# KiCad board kim-1.kicad_pcb (continued)
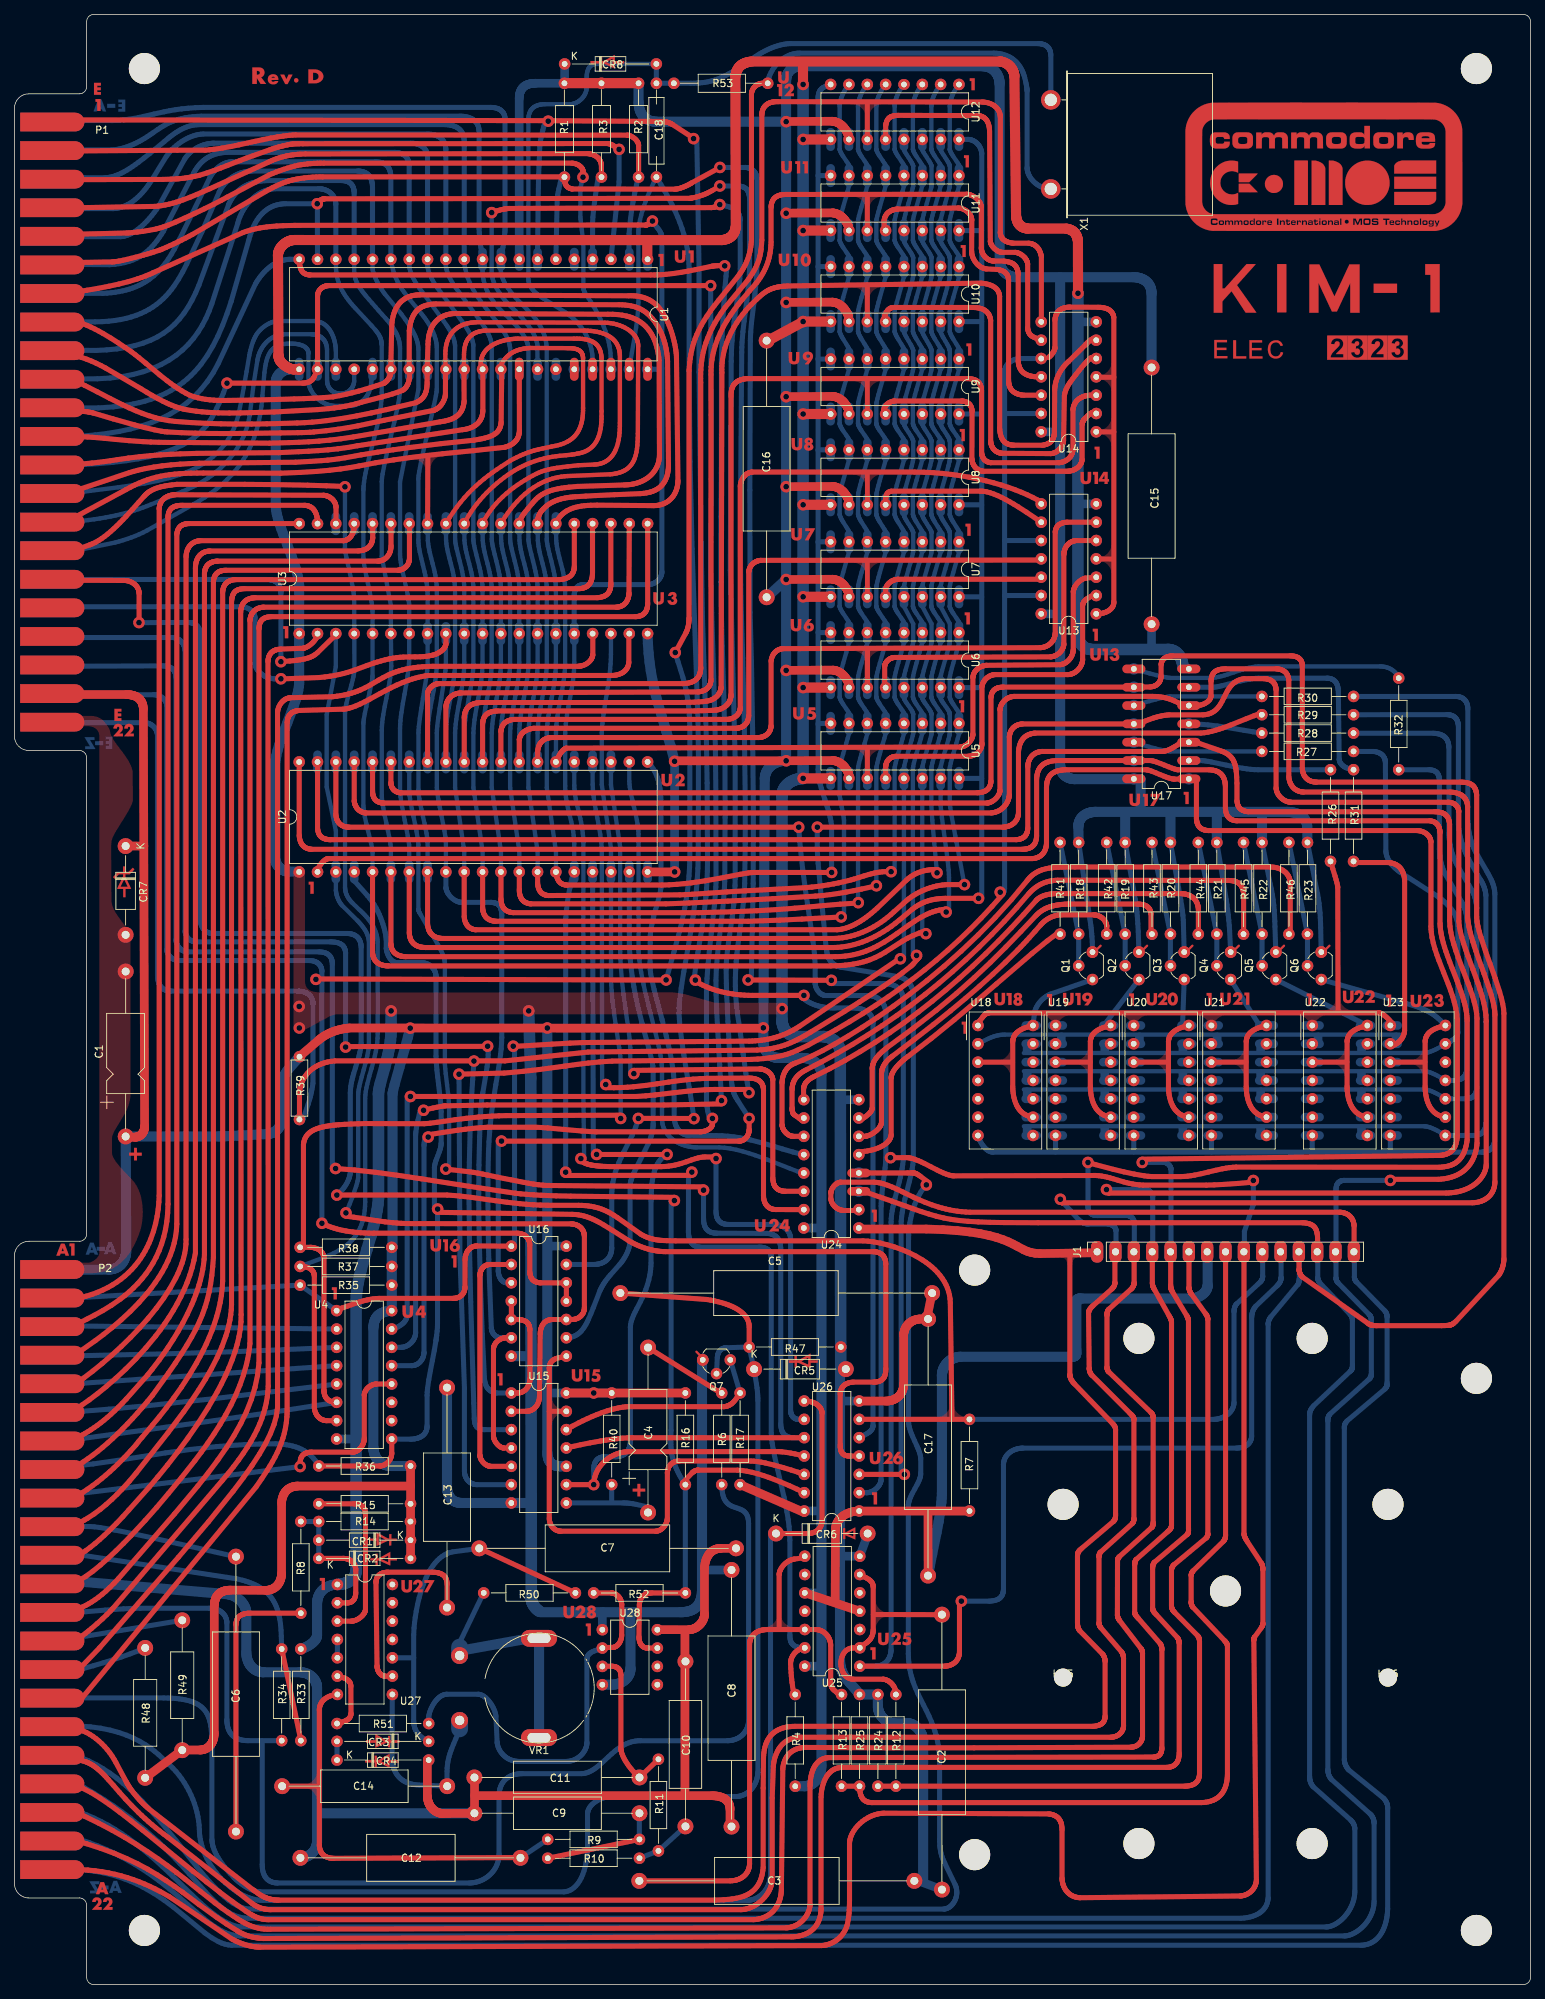
[diagram p0: board, top side]
## Routing (per net, layer and track width the routed paths; a pad name or vN(x,y) marks a point on that pad's centre or on a via; arc(x,y) is an arc through that point) (continued)
  Bottom w0.7: 148.69,113.92 148.69,107.9 148.7,107.74 148.72,107.59 148.73,107.52 148.74,107.45 148.75,107.38 148.77,107.32 148.79,107.26 148.82,107.2 148.84,107.14 148.87,107.09 148.9,107.04 148.93,106.99 148.97,106.94 149.01,106.9 149.05,106.86 149.1,106.82 149.14,106.79 149.19,106.75 149.25,106.72 149.31,106.7 149.37,106.67 149.43,106.65 149.5,106.63 149.57,106.61 149.64,106.6 149.72,106.59 149.8,106.58 149.88,106.57 149.97,106.57 150.06,106.56 154.18,106.56 154.22,106.56 154.27,106.56 154.31,106.55 154.35,106.54 154.4,106.52 154.44,106.51 154.48,106.49 154.52,106.47 154.56,106.45 154.6,106.42 154.64,106.39 154.68,106.37 154.72,106.33 154.75,106.3 154.79,106.27 154.82,106.23 154.86,106.19 154.89,106.15 154.92,106.11 154.95,106.07 154.97,106.03 155,105.98 155.02,105.94 155.04,105.89 155.06,105.85 155.07,105.8 155.09,105.75 155.1,105.7 155.11,105.65 155.11,105.6 155.12,105.56 155.12,105.51 155.12,101.52
  vias: v1(148.7,113.92)
/COLC: length 546.7
  Top w0.7: 190.55,111.58 197.22,111.58 197.62,111.61 198.01,111.66 198.37,111.72 198.72,111.8 199.04,111.89 199.35,111.99 199.64,112.11 199.91,112.23 200.17,112.37 200.41,112.52 200.63,112.68 200.84,112.84 201.03,113.01 201.21,113.19 201.37,113.38 201.53,113.57 201.66,113.76 201.79,113.96 201.91,114.15 202.01,114.35 202.19,114.76 202.33,115.16 202.43,115.54 202.51,115.92 202.56,116.27 202.59,116.59 202.59,133.86 202.53,134.59 202.39,135.36 202.2,136.16 201.95,136.99 201.66,137.85 201.35,138.73 200.66,140.52 199.98,142.33 199.66,143.23 199.38,144.12 199.14,144.98 198.96,145.83 198.83,146.65 198.79,147.43 198.79,160.8 198.77,160.92 198.76,161.03 198.74,161.15 198.72,161.25 198.69,161.35 198.66,161.45 198.62,161.54 198.59,161.62 198.55,161.7 198.5,161.78 198.45,161.85 198.4,161.92 198.35,161.98 198.29,162.04 198.23,162.1 198.16,162.15 198.09,162.2 198.02,162.24 197.95,162.28 197.87,162.32 197.79,162.35 197.71,162.38 197.53,162.43 197.34,162.47 197.14,162.49 196.93,162.51 196.72,162.52 170.98,162.52 170.87,162.52 170.77,162.54 170.67,162.55 170.58,162.57 170.49,162.59 170.4,162.61 170.32,162.64 170.24,162.66 170.17,162.7 170.09,162.73 170.03,162.77 169.96,162.8 169.9,162.85 169.85,162.89 169.79,162.94 169.74,162.99 169.7,163.04 169.65,163.09 169.61,163.15 169.57,163.2 169.54,163.26 169.51,163.33 169.48,163.39 169.45,163.46 169.43,163.52 169.41,163.59 169.37,163.74 169.35,163.89 169.33,164.05 169.33,166.47 169.29,167.32 169.27,167.71 169.24,168.08 169.19,168.43 169.16,168.6 169.13,168.75 169.1,168.91 169.06,169.06 169.01,169.2 168.96,169.34 168.9,169.48 168.84,169.6 168.77,169.73 168.7,169.85 168.61,169.96 168.53,170.07 168.43,170.18 168.32,170.28 168.21,170.37 168.09,170.47 167.95,170.55 167.81,170.64 167.66,170.72 167.5,170.79 167.33,170.86 167.14,170.93 163.57,172.17 161.74,172.15 161.57,172.06 161.39,171.96 161.05,171.75 160.71,171.54 160.53,171.43 160.36,171.33 160.18,171.24 160.01,171.15 159.83,171.07 159.65,171.01 159.46,170.95 159.28,170.91 159.18,170.89 159.08,170.88 158.99,170.87 158.89,170.87 142.38,170.87 142.27,170.87 142.17,170.86 142.07,170.84 141.97,170.83 141.87,170.8 141.77,170.77 141.68,170.74 141.59,170.71 141.5,170.66 141.41,170.62 141.33,170.57 141.24,170.52 141.17,170.46 141.09,170.4 141.02,170.33 140.95,170.26 140.88,170.19 140.82,170.11 140.76,170.03 140.71,169.95 140.65,169.87 140.61,169.78 140.56,169.69 140.52,169.59 140.49,169.49 140.45,169.39 140.43,169.29 140.4,169.18 140.39,169.08 140.37,168.96 140.37,168.85 140.36,168.74 140.36,160.27 140.35,160.1 140.33,159.93 140.3,159.78 140.28,159.7 140.25,159.63 140.23,159.56 140.2,159.49 140.17,159.42 140.13,159.36 140.1,159.3 140.06,159.24 140.01,159.18 139.96,159.13 139.91,159.08 139.86,159.03 139.8,158.98 139.74,158.94 139.68,158.9 139.61,158.86 139.54,158.83 139.47,158.79 139.39,158.77 139.31,158.74 139.22,158.72 139.14,158.7 139.04,158.68 138.95,158.66 138.85,158.65 138.74,158.65 43.82,158.65 43.69,158.65 43.57,158.66 43.45,158.67 43.34,158.68 43.23,158.7 43.13,158.72 43.03,158.75 42.94,158.78 42.86,158.81 42.78,158.85 42.7,158.89 42.63,158.93 42.57,158.98 42.5,159.03 42.45,159.08 42.39,159.13 42.34,159.19 42.3,159.25 42.26,159.31 42.22,159.37 42.18,159.44 42.15,159.5 42.12,159.57 42.1,159.65 42.05,159.79 42.02,159.95 42,160.11 41.98,160.27 41.98,169.42
  Bottom w0.7: 7.79,20.49 9.11,20.09 10.37,19.66 11.56,19.2 12.71,18.72 13.79,18.22 14.83,17.7 16.75,16.61 18.49,15.49 20.07,14.35 21.51,13.22 22.83,12.11 25.17,10.05 26.23,9.15 27.25,8.36 28.24,7.7 28.73,7.42 29.22,7.19 29.72,7.01 30.22,6.87 30.72,6.78 31.24,6.74 184.18,6.74 184.34,6.74 184.5,6.76 184.66,6.79 184.83,6.83 185,6.89 185.17,6.95 185.35,7.02 185.52,7.11 185.7,7.2 185.87,7.31 186.04,7.42 186.21,7.55 186.38,7.68 186.55,7.82 186.71,7.97 186.87,8.13 187.02,8.29 187.17,8.47 187.31,8.65 187.44,8.84 187.57,9.03 187.69,9.23 187.8,9.44 187.9,9.66 188,9.88 188.08,10.1 188.15,10.33 188.21,10.57 188.26,10.81 188.29,11.06 188.32,11.31 188.33,11.56 188.33,22.36 188.32,22.44 188.32,22.53 188.31,22.62 188.29,22.7 188.27,22.79 188.25,22.87 188.22,22.96 188.19,23.04 188.15,23.12 188.11,23.2 188.07,23.28 188.02,23.36 187.97,23.43 187.91,23.51 187.85,23.58 187.78,23.64 182.44,28.41 182.37,28.49 182.31,28.57 182.25,28.65 182.2,28.73 182.16,28.82 182.11,28.9 182.07,28.99 182.04,29.08 182.01,29.17 181.99,29.26 181.96,29.35 181.95,29.45 181.94,29.54 181.93,29.64 181.92,29.74 181.92,29.84 181.92,78.05 181.92,78.15 181.92,78.24 181.93,78.32 181.93,78.39 181.94,78.46 181.95,78.52 181.96,78.58 181.98,78.64 182,78.69 182.02,78.74 182.04,78.79 182.07,78.84 182.1,78.89 182.14,78.94 182.22,79.05 187.62,83.89 187.66,83.92 187.69,83.95 187.71,83.98 187.74,84.01 187.77,84.05 187.79,84.08 187.81,84.11 187.83,84.14 187.84,84.17 187.86,84.2 187.87,84.23 187.88,84.26 187.89,84.29 187.9,84.32 187.92,84.38 187.93,84.44 187.94,84.51 187.94,84.58 187.94,84.65 187.95,84.96 187.95,91.98 187.94,92.1 187.93,92.21 187.93,92.26 187.92,92.31 187.91,92.36 187.9,92.41 187.89,92.47 187.87,92.52 187.84,92.57 187.83,92.6 187.81,92.63 187.79,92.66 187.77,92.68 187.75,92.71 187.73,92.74 187.68,92.8 187.62,92.86 183.35,97.23 183.31,97.27 183.28,97.31 183.24,97.35 183.22,97.39 183.19,97.43 183.16,97.48 183.14,97.52 183.12,97.57 183.11,97.61 183.09,97.66 183.08,97.7 183.07,97.75 183.06,97.8 183.05,97.84 183.05,97.89 183.05,97.94 183.05,101.57 183.05,110.18 183.05,110.31 183.07,110.43 183.09,110.55 183.1,110.61 183.12,110.67 183.13,110.72 183.15,110.78 183.18,110.83 183.2,110.88 183.23,110.93 183.25,110.98 183.29,111.02 183.32,111.06 183.35,111.11 183.39,111.14 183.43,111.18 183.47,111.22 183.52,111.25 183.57,111.28 183.62,111.31 183.67,111.33 183.72,111.35 183.78,111.37 183.84,111.39 183.9,111.4 183.97,111.41 184.04,111.42 184.11,111.43 184.18,111.43 190.57,111.43
  vias: v1(190.58,111.43)
/COLD: length 516.1
  Top w0.7: 121.33,114.58 123.6,114.59 123.77,114.58 123.96,114.56 124.14,114.52 124.34,114.47 124.74,114.35 125.16,114.18 125.59,113.99 126.03,113.78 126.92,113.32 127.8,112.87 128.23,112.66 128.65,112.47 129.05,112.31 129.43,112.18 129.79,112.1 129.95,112.07 130.11,112.06 149.77,112.11 150.2,112.08 150.62,112.03 151.01,111.96 151.39,111.87 151.77,111.78 152.14,111.67 152.88,111.45 153.64,111.22 154.04,111.12 154.45,111.02 154.89,110.94 155.34,110.86 155.83,110.81 156.34,110.78 165.09,110.77 166.19,110.81 167.31,110.87 169.43,111.01 171.64,111.2 ; 8.13,15.95 9.18,15.93 10.19,15.87 11.18,15.77 12.13,15.64 13.05,15.47 13.95,15.28 14.81,15.06 15.65,14.81 16.46,14.54 17.25,14.25 18.01,13.94 18.75,13.61 19.47,13.26 20.17,12.9 21.5,12.15 30.1,6.32 30.33,6.2 30.57,6.08 30.81,5.96 31.06,5.86 31.3,5.76 31.55,5.66 31.8,5.58 32.05,5.5 32.3,5.43 32.55,5.37 32.79,5.31 33.04,5.27 33.28,5.23 33.53,5.21 33.77,5.19 34,5.18 111.79,5.4 111.99,5.42 112.18,5.45 112.36,5.48 112.54,5.52 112.72,5.57 112.89,5.63 113.06,5.69 113.21,5.76 113.37,5.84 113.52,5.92 113.66,6.01 113.8,6.1 113.93,6.19 114.06,6.3 114.18,6.4 114.29,6.51 114.4,6.62 114.51,6.74 114.7,6.97 114.87,7.22 115.02,7.47 115.15,7.72 115.25,7.98 115.34,8.23 115.39,8.47 115.48,8.98 115.52,9.23 115.56,9.53 115.6,9.89 115.63,10.34 115.65,10.92 115.67,11.64 115.67,19.59 115.68,19.77 115.7,19.94 115.74,20.12 115.79,20.3 115.84,20.47 115.91,20.65 115.99,20.83 116.08,21.01 116.29,21.35 116.53,21.69 116.81,22.02 117.12,22.33 117.46,22.61 117.82,22.88 118.21,23.11 118.42,23.22 118.62,23.32 118.84,23.41 119.05,23.49 119.27,23.56 119.5,23.62 119.73,23.67 119.96,23.71 120.19,23.74 120.43,23.75 143.22,23.65 143.34,23.64 143.46,23.62 143.58,23.6 143.69,23.57 143.8,23.54 143.9,23.51 144,23.47 144.09,23.43 144.18,23.38 144.26,23.33 144.34,23.28 144.42,23.22 144.49,23.16 144.55,23.1 144.62,23.03 144.67,22.96 144.73,22.89 144.78,22.81 144.83,22.74 144.87,22.65 144.91,22.57 144.94,22.48 144.97,22.39 145,22.29 145.05,22.09 145.08,21.89 145.1,21.67 145.1,21.44 145.1,14.77 145.11,14.64 145.12,14.5 145.13,14.37 145.15,14.24 145.18,14.11 145.21,13.99 145.25,13.86 145.29,13.74 145.33,13.62 145.38,13.51 145.44,13.4 145.5,13.29 145.56,13.18 145.63,13.08 145.7,12.98 145.78,12.88 145.86,12.79 145.95,12.7 146.04,12.62 146.14,12.54 146.24,12.47 146.34,12.4 146.45,12.34 146.56,12.28 146.68,12.23 146.8,12.18 146.93,12.14 147.06,12.11 147.19,12.08 147.32,12.06 147.46,12.04 147.61,12.03 169.77,12.27 169.87,12.28 169.97,12.29 170.07,12.31 170.17,12.33 170.27,12.35 170.37,12.38 170.47,12.42 170.56,12.45 170.66,12.5 170.75,12.54 170.84,12.59 170.93,12.65 171.02,12.7 171.11,12.77 171.19,12.83 171.27,12.9 171.35,12.97 171.42,13.05 171.49,13.13 171.56,13.21 171.62,13.3 171.68,13.39 171.74,13.49 171.79,13.58 171.84,13.68 171.88,13.78 171.92,13.89 171.95,14 171.98,14.11 172,14.23 172.01,14.34 172.02,14.46 171.67,47.71 171.67,47.75 171.67,47.79 171.67,47.83 171.68,47.86 171.68,47.89 171.68,47.92 171.69,47.95 171.7,47.98 171.7,48 171.71,48.02 171.72,48.05 171.73,48.07 171.74,48.09 171.75,48.11 171.76,48.12 171.77,48.14 172.67,49.39 172.76,49.55 172.81,49.63 172.83,49.67 172.85,49.71 172.87,49.75 172.89,49.8 172.9,49.84 172.91,49.88 172.92,49.93 172.93,49.98 172.93,50.02 172.93,50.07 172.93,57.49 172.93,57.54 172.93,57.6 172.93,57.66 172.92,57.72 172.91,57.78 172.9,57.84 172.89,57.9 172.88,57.97 172.86,58.03 172.85,58.09 172.83,58.15 172.81,58.21 172.79,58.26 172.76,58.31 172.74,58.36 172.71,58.4 170.79,61.34 170.66,61.56 170.58,61.7 170.54,61.77 170.5,61.84 170.46,61.92 170.43,62 170.39,62.08 170.37,62.16 170.34,62.24 170.32,62.32 170.31,62.4 170.3,62.48 170.3,101.54 ; 108.62,160.37 46.4,160.37 46.29,160.38 46.17,160.38 46.07,160.4 45.96,160.41 45.86,160.43 45.77,160.45 45.68,160.48 45.59,160.51 45.5,160.55 45.42,160.58 45.35,160.63 45.27,160.67 45.2,160.72 45.14,160.77 45.08,160.83 45.02,160.88 44.96,160.94 44.91,161.01 44.86,161.07 44.82,161.14 44.77,161.21 44.74,161.29 44.7,161.36 44.67,161.44 44.64,161.52 44.61,161.61 44.57,161.78 44.54,161.96 44.52,162.15 44.52,169.41
  Bottom w0.7: 116.98,68.15 118.02,68.15 118.12,68.16 118.21,68.17 118.3,68.18 118.39,68.2 118.49,68.22 118.58,68.25 118.66,68.28 118.75,68.32 118.84,68.36 118.92,68.4 119.01,68.45 119.09,68.5 119.17,68.56 119.25,68.62 119.32,68.68 119.39,68.74 119.46,68.8 119.53,68.87 119.59,68.94 119.65,69.02 119.71,69.09 119.76,69.16 119.81,69.24 119.85,69.32 119.89,69.4 119.93,69.48 119.96,69.56 119.99,69.65 120.01,69.73 120.02,69.81 120.04,69.89 120.04,69.98 120.04,107.88 120.05,108.25 120.08,108.65 120.15,109.52 120.25,110.44 120.37,111.38 120.59,113.16 120.67,113.94 120.69,114.28 120.7,114.58 120.7,134.64 120.7,134.77 120.68,134.9 120.66,135.03 120.64,135.15 120.61,135.27 120.58,135.39 120.54,135.5 120.49,135.62 120.44,135.72 120.39,135.83 120.33,135.93 120.26,136.03 120.19,136.12 120.12,136.21 120.05,136.29 119.97,136.37 119.88,136.45 119.79,136.52 119.7,136.59 119.61,136.66 119.51,136.72 119.41,136.77 119.31,136.82 119.21,136.87 119.1,136.91 118.99,136.94 118.88,136.97 118.76,137 118.65,137.02 118.53,137.03 118.41,137.04 118.29,137.05 112.4,137.05 112.33,137.05 112.25,137.06 112.18,137.08 112.11,137.09 112.04,137.12 111.97,137.14 111.9,137.17 111.83,137.21 111.77,137.25 111.7,137.29 111.64,137.33 111.58,137.38 111.52,137.43 111.47,137.49 111.36,137.6 111.27,137.73 111.18,137.86 111.1,138 111.04,138.15 110.99,138.3 110.95,138.46 110.93,138.53 110.92,138.61 110.92,138.69 110.91,138.77 110.91,141.31 110.82,142.78 110.6,144.61 109.94,149.14 109.55,151.74 109.19,154.52 108.86,157.41 108.62,160.38 ; 171.6,111.42 171.6,108.09 170.36,104.36 170.36,101.51
  vias: v1(108.63,160.38) v1(121.34,114.58) v1(171.6,111.42)
/COLE: length 559.2
  Top w0.7: 157.61,101.52 157.61,97.26 157.62,97.17 157.62,97.09 157.63,97.02 157.64,96.95 157.65,96.89 157.67,96.83 157.68,96.77 157.7,96.72 157.72,96.67 157.74,96.61 157.77,96.56 157.8,96.5 157.83,96.44 157.86,96.38 157.94,96.25 159.91,92.72 160.03,92.5 160.09,92.39 160.12,92.34 160.14,92.28 160.17,92.22 160.19,92.16 160.21,92.1 160.23,92.04 160.25,91.98 160.26,91.92 160.26,91.85 160.27,91.82 160.27,91.79 160.27,63.62 160.27,63.58 160.26,63.54 160.26,63.5 160.25,63.46 160.24,63.43 160.23,63.39 160.22,63.36 160.21,63.33 160.2,63.3 160.19,63.27 160.17,63.24 160.15,63.21 160.12,63.15 160.08,63.1 160.04,63.05 159.99,63 159.94,62.96 159.89,62.91 159.79,62.81 159.68,62.71 155.41,58.93 155.39,58.91 155.37,58.9 155.34,58.86 155.31,58.82 155.29,58.77 155.27,58.73 155.25,58.69 155.23,58.64 155.22,58.59 155.2,58.55 155.19,58.5 155.19,58.45 155.18,58.4 155.17,58.35 155.17,58.3 155.17,58.25 155.17,58.2 155.17,51.57 155.17,51.54 155.17,51.5 155.18,51.47 155.19,51.44 155.19,51.41 155.2,51.38 155.22,51.35 155.23,51.32 155.25,51.26 155.29,51.2 155.32,51.15 155.36,51.1 155.4,51.05 155.44,51 155.53,50.9 155.62,50.8 155.71,50.7 158.7,47.25 158.73,47.2 158.76,47.14 158.79,47.09 158.82,47.04 158.84,46.98 158.86,46.93 158.88,46.87 158.89,46.81 158.9,46.76 158.91,46.7 158.92,46.64 158.92,46.58 158.93,46.53 158.93,46.47 158.94,46.35 158.94,32.8 158.93,32.65 158.92,32.58 158.91,32.5 158.9,32.44 158.88,32.37 158.87,32.31 158.85,32.25 158.83,32.19 158.81,32.13 158.78,32.08 158.75,32.03 158.72,31.98 158.69,31.93 158.66,31.89 158.62,31.85 158.58,31.81 158.54,31.78 158.5,31.74 158.46,31.71 158.41,31.68 158.36,31.66 158.31,31.63 158.26,31.61 158.2,31.59 158.15,31.57 158.09,31.56 158.03,31.55 157.96,31.54 157.9,31.53 157.76,31.52 112.92,31.45 112.76,31.45 112.6,31.43 112.45,31.41 112.31,31.38 112.17,31.34 112.03,31.29 111.9,31.23 111.77,31.17 111.65,31.1 111.53,31.02 111.42,30.93 111.31,30.84 111.21,30.74 111.11,30.63 111.02,30.51 110.93,30.39 110.85,30.26 110.77,30.12 110.69,29.97 110.62,29.82 110.56,29.66 110.5,29.5 110.45,29.32 110.4,29.14 110.36,28.96 110.32,28.77 110.28,28.57 110.26,28.36 110.23,28.15 110.21,27.93 110.2,27.71 110.19,27.48 110.19,11.12 110.19,10.98 110.18,10.85 110.16,10.71 110.13,10.57 110.1,10.43 110.05,10.29 110.01,10.15 109.95,10.02 109.89,9.88 109.82,9.75 109.74,9.61 109.66,9.48 109.57,9.35 109.48,9.23 109.38,9.1 109.27,8.98 109.16,8.87 109.04,8.76 108.92,8.65 108.79,8.55 108.66,8.46 108.52,8.36 108.38,8.28 108.23,8.2 108.07,8.13 107.92,8.07 107.75,8.01 107.59,7.97 107.42,7.93 107.24,7.89 107.06,7.87 106.88,7.86 35.47,7.67 35.02,7.66 34.59,7.69 34.17,7.74 33.77,7.82 33.38,7.92 33,8.04 32.63,8.18 32.27,8.34 31.92,8.51 31.58,8.7 31.24,8.89 30.92,9.1 30.27,9.52 29.65,9.95 28.72,10.61 27.78,11.32 25.79,12.88 23.63,14.61 22.45,15.52 21.21,16.46 19.88,17.42 18.46,18.4 16.94,19.38 15.31,20.37 13.56,21.37 11.69,22.36 9.68,23.34 7.53,24.3 ; 151.58,109.68 151.29,110.13 ; 47.06,169.42 47.06,164.05 47.07,163.98 47.08,163.9 47.09,163.82 47.1,163.75 47.12,163.67 47.14,163.6 47.17,163.52 47.2,163.45 47.23,163.37 47.26,163.3 47.3,163.23 47.34,163.17 47.39,163.1 47.43,163.03 47.48,162.97 47.53,162.91 47.59,162.85 47.65,162.8 47.71,162.74 47.77,162.69 47.83,162.64 47.9,162.6 47.97,162.56 48.04,162.52 48.12,162.49 48.19,162.45 48.27,162.43 48.36,162.4 48.44,162.39 48.52,162.37 48.61,162.36 48.7,162.35 135.29,162.35 135.42,162.37 135.55,162.38 135.67,162.41 135.8,162.44 135.92,162.48 136.04,162.52 136.15,162.56 136.26,162.61 136.37,162.67 136.48,162.73 136.58,162.8 136.68,162.87 136.78,162.94 136.87,163.02 136.96,163.1 137.05,163.18 137.13,163.27 137.2,163.36 137.28,163.46 137.35,163.55 137.41,163.65 137.47,163.75 137.53,163.86 137.58,163.96 137.62,164.07 137.66,164.18 137.7,164.29 137.73,164.4 137.76,164.52 137.78,164.63 137.79,164.74 137.8,164.86 137.8,172.86 137.81,172.96 137.82,173.05 137.84,173.15 137.86,173.24 137.88,173.33 137.9,173.42 137.93,173.5 137.96,173.58 138,173.66 138.04,173.74 138.08,173.82 138.13,173.89 138.18,173.96 138.23,174.02 138.28,174.09 138.34,174.15 138.4,174.21 138.46,174.26 138.53,174.31 138.6,174.36 138.67,174.41 138.75,174.45 138.83,174.49 138.91,174.53 138.99,174.56 139.08,174.59 139.17,174.61 139.26,174.63 139.36,174.65 139.45,174.67 139.55,174.68 139.65,174.69 155.65,174.69 156.67,175.1 157.18,175.3 157.7,175.48 157.96,175.56 158.23,175.64 158.51,175.72 158.78,175.78 159.07,175.83 159.36,175.88 159.65,175.92 159.96,175.94 164.59,175.94 164.91,175.97 165.2,176.02 165.47,176.09 165.71,176.18 165.94,176.29 166.14,176.42 166.33,176.56 166.5,176.72 166.66,176.89 166.81,177.07 166.95,177.26 167.07,177.46 167.31,177.88 167.53,178.32 167.74,178.76 167.97,179.19 168.1,179.4 168.23,179.6 168.36,179.8 168.52,179.98 168.68,180.16 168.86,180.32 169.05,180.47 169.26,180.6 169.49,180.72 169.75,180.82 170.02,180.9 170.32,180.96 173.04,180.96 173.24,180.95 173.42,180.92 173.51,180.91 173.59,180.89 173.68,180.87 173.76,180.84 173.83,180.82 173.9,180.79 173.98,180.75 174.04,180.72 174.11,180.68 174.17,180.64 174.23,180.59 174.28,180.55 174.33,180.5 174.38,180.45 174.43,180.39 174.47,180.33 174.51,180.27 174.55,180.2 174.58,180.14 174.61,180.07 174.64,179.99 174.67,179.92 174.69,179.84 174.71,179.76 174.72,179.67 174.74,179.58 174.75,179.49 174.75,179.4 174.75,165.81 174.76,165.71 174.77,165.62 174.79,165.52 174.82,165.43 174.84,165.33 174.88,165.24 174.92,165.15 174.96,165.06 175.01,164.98 175.06,164.89 175.11,164.81 175.17,164.73 175.23,164.65 175.3,164.58 175.37,164.51 175.44,164.44 175.51,164.37 175.59,164.31 175.67,164.25 175.75,164.19 175.84,164.14 175.92,164.09 176.01,164.05 176.1,164.01 176.19,163.97 176.28,163.94 176.37,163.91 176.47,163.88 176.56,163.86 176.66,163.85 176.75,163.84 176.84,163.83 198.55,163.83 198.69,163.82 198.84,163.81 198.98,163.78 199.11,163.75 199.24,163.7 199.31,163.67 199.37,163.64 199.43,163.61 199.48,163.57 199.54,163.54 199.59,163.5 199.64,163.45 199.69,163.41 199.74,163.36 199.78,163.31 199.82,163.26 199.86,163.2 199.89,163.14 199.92,163.08 199.95,163.02 199.98,162.95 200,162.88 200.02,162.81 200.04,162.73 200.05,162.66 200.06,162.58 200.06,162.5 200.06,147.38 200.13,146.68 200.27,145.92 200.47,145.12 200.72,144.28 201.01,143.4 201.33,142.51 202.02,140.66 202.7,138.79 203.01,137.85 203.28,136.93 203.52,136.03 203.7,135.15 203.82,134.31 203.86,133.5 203.86,113.64 203.85,113.48 203.84,113.33 203.81,113.17 203.77,113.01 203.72,112.85 203.67,112.68 203.6,112.52 203.52,112.35 203.43,112.19 203.33,112.02 203.22,111.86 203.1,111.7 202.97,111.54 202.82,111.39 202.67,111.23 202.5,111.09 202.33,110.94 202.14,110.8 201.94,110.67 201.73,110.54 201.51,110.42 201.28,110.31 201.03,110.2 200.78,110.11 200.51,110.02 200.23,109.94 199.94,109.87 199.64,109.81 199.32,109.76 199,109.72 198.66,109.69 198.31,109.68 151.57,109.68 151.28,110.14 ; 151.57,109.67 151.28,110.13
  Bottom w0.7: 157.66,101.52 157.66,109.2 157.66,109.24 157.66,109.28 157.65,109.33 157.64,109.37 157.63,109.41 157.61,109.46 157.59,109.5 157.57,109.54 157.55,109.58 157.53,109.63 157.5,109.67 157.47,109.71 157.45,109.74 157.41,109.78 157.35,109.85 157.28,109.92 157.24,109.95 157.2,109.98 157.16,110.01 157.12,110.03 157.08,110.06 157.04,110.08 157,110.1 156.95,110.11 156.91,110.13 156.87,110.14 156.82,110.15 156.78,110.16 156.74,110.16 156.7,110.16 151.25,110.16
  vias: v1(151.26,110.16)
/COLF: length 566.1
  Top w0.7: 145.1,108.32 144.87,108.8 ; 7.58,31.47 7.73,31.41 7.88,31.36 8.17,31.27 8.45,31.21 8.73,31.15 9.29,31.04 9.57,30.96 9.87,30.87 10.02,30.81 10.17,30.75 10.33,30.67 10.5,30.59 10.67,30.49 10.84,30.38 11.03,30.26 11.21,30.12 11.41,29.97 11.61,29.81 11.82,29.62 12.04,29.42 12.27,29.2 12.5,28.96 12.75,28.69 13,28.41 13.7,27.61 14.55,26.63 15.4,25.69 16.26,24.77 17.15,23.88 17.61,23.44 18.09,23 18.57,22.57 19.07,22.13 19.59,21.7 20.13,21.27 20.68,20.84 21.26,20.41 32.88,11.27 33.05,11.15 33.21,11.04 33.37,10.94 33.53,10.86 33.7,10.78 33.86,10.7 34.02,10.64 34.18,10.59 34.34,10.54 34.51,10.5 34.67,10.46 34.83,10.43 35,10.41 35.17,10.39 35.34,10.38 35.51,10.38 100.63,10.38 100.84,10.39 101.05,10.42 101.26,10.45 101.47,10.5 101.67,10.56 101.87,10.63 102.07,10.71 102.26,10.8 102.45,10.9 102.64,11.01 102.82,11.12 103,11.25 103.17,11.38 103.33,11.51 103.64,11.8 103.93,12.12 104.19,12.45 104.3,12.62 104.41,12.79 104.51,12.97 104.6,13.15 104.68,13.33 104.75,13.51 104.81,13.7 104.86,13.88 104.9,14.06 104.93,14.25 104.95,14.43 104.96,14.61 104.96,25.81 105.12,30.26 105.13,30.43 105.16,30.65 105.21,30.92 105.28,31.22 105.37,31.54 105.49,31.88 105.64,32.22 105.72,32.39 105.82,32.56 105.93,32.73 106.04,32.9 106.17,33.06 106.31,33.22 106.46,33.37 106.62,33.51 106.79,33.64 106.98,33.76 107.18,33.87 107.39,33.97 107.61,34.06 107.85,34.14 108.11,34.19 108.38,34.24 108.67,34.26 108.97,34.27 151.8,34.27 151.9,34.27 152,34.28 152.09,34.29 152.18,34.3 152.27,34.32 152.36,34.34 152.44,34.37 152.53,34.4 152.61,34.43 152.69,34.46 152.76,34.5 152.84,34.54 152.91,34.59 152.98,34.64 153.04,34.69 153.1,34.74 153.16,34.8 153.22,34.86 153.27,34.92 153.32,34.98 153.37,35.04 153.41,35.11 153.45,35.18 153.49,35.25 153.52,35.32 153.54,35.4 153.57,35.47 153.59,35.55 153.6,35.63 153.61,35.71 153.62,35.79 153.62,35.87 153.62,45.15 153.62,45.22 153.62,45.28 153.61,45.35 153.6,45.41 153.59,45.48 153.58,45.54 153.57,45.61 153.55,45.67 153.53,45.73 153.51,45.79 153.49,45.85 153.46,45.91 153.43,45.97 153.4,46.02 153.36,46.08 153.32,46.14 150.49,49.43 150.45,49.48 150.42,49.53 150.39,49.57 150.36,49.62 150.34,49.66 150.31,49.7 150.3,49.75 150.28,49.79 150.27,49.84 150.26,49.88 150.25,49.92 150.24,49.97 150.23,50.01 150.23,50.06 150.22,50.16 150.22,59.24 150.22,59.3 150.22,59.36 150.23,59.41 150.23,59.47 150.24,59.52 150.25,59.57 150.27,59.61 150.28,59.66 150.3,59.7 150.31,59.74 150.33,59.77 150.35,59.81 150.38,59.84 150.4,59.87 150.43,59.9 150.45,59.93 154.84,63.88 154.87,63.92 154.9,63.96 154.92,64 154.95,64.04 154.97,64.09 154.99,64.13 155,64.18 155.02,64.22 155.03,64.27 155.04,64.31 155.05,64.36 155.05,64.41 155.06,64.46 155.06,64.51 155.06,64.56 155.06,64.61 155.06,78.27 155.06,78.31 155.06,78.35 155.05,78.38 155.05,78.42 155.04,78.45 155.03,78.49 155.02,78.52 155.01,78.55 155,78.58 154.99,78.61 154.96,78.67 154.92,78.73 154.89,78.78 154.85,78.83 154.81,78.88 154.76,78.92 154.72,78.97 154.52,79.16 149.26,84.42 149.21,84.47 149.16,84.53 149.12,84.59 149.08,84.65 149.04,84.72 149.01,84.78 148.98,84.84 148.96,84.91 148.93,84.97 148.92,85.04 148.9,85.1 148.89,85.17 148.88,85.23 148.87,85.3 148.87,85.36 148.86,85.42 148.78,93.07 148.78,93.1 148.78,93.13 148.78,93.16 148.79,93.2 148.79,93.23 148.8,93.26 148.81,93.29 148.82,93.32 148.84,93.38 148.87,93.44 148.91,93.51 148.95,93.57 148.99,93.63 149.04,93.7 149.1,93.76 149.15,93.83 149.22,93.89 149.28,93.96 149.35,94.03 149.43,94.1 151.99,96.37 152.03,96.41 152.08,96.46 152.12,96.51 152.16,96.56 152.2,96.61 152.24,96.67 152.27,96.73 152.31,96.78 152.33,96.84 152.36,96.9 152.38,96.97 152.4,97.03 152.41,97.09 152.42,97.15 152.43,97.22 152.43,97.25 152.43,97.28 152.43,101.54 ; 144.88,108.81 145.1,108.33 201.93,108.33 202.22,108.35 202.51,108.38 202.79,108.44 203.06,108.52 203.2,108.56 203.33,108.62 203.46,108.67 203.59,108.74 203.71,108.81 203.83,108.88 203.94,108.96 204.06,109.05 204.16,109.14 204.27,109.24 204.36,109.34 204.46,109.45 204.54,109.56 204.62,109.68 204.7,109.81 204.77,109.94 204.83,110.08 204.89,110.22 204.93,110.37 204.98,110.53 205.01,110.69 205.03,110.86 205.05,111.03 205.06,111.22 205.06,134.34 205.06,134.57 205.04,134.81 205.01,135.07 204.97,135.33 204.92,135.6 204.86,135.88 204.73,136.47 204.56,137.08 204.36,137.72 204.15,138.38 203.92,139.06 203.55,140.08 203.17,141.13 202.79,142.18 202.43,143.22 202.21,143.87 202.01,144.51 201.82,145.14 201.66,145.75 201.52,146.34 201.46,146.62 201.41,146.91 201.36,147.18 201.33,147.45 201.3,147.71 201.28,147.97 201.28,163.23 201.27,163.36 201.26,163.48 201.24,163.6 201.21,163.71 201.19,163.82 201.15,163.92 201.11,164.02 201.07,164.12 201.02,164.21 200.97,164.3 200.91,164.38 200.85,164.46 200.79,164.53 200.72,164.6 200.64,164.67 200.56,164.73 200.48,164.79 200.4,164.85 200.31,164.9 200.21,164.95 200.11,164.99 200.01,165.03 199.8,165.1 199.57,165.16 199.33,165.2 199.08,165.23 198.81,165.25 178.59,165.25 178.47,165.25 178.36,165.26 178.24,165.28 178.13,165.3 178.03,165.33 177.93,165.36 177.83,165.39 177.73,165.43 177.64,165.48 177.55,165.53 177.47,165.58 177.39,165.64 177.31,165.7 177.23,165.76 177.16,165.83 177.1,165.9 177.03,165.97 176.97,166.05 176.92,166.13 176.86,166.21 176.81,166.3 176.77,166.39 176.73,166.48 176.69,166.57 176.62,166.76 176.57,166.96 176.54,167.16 176.51,167.37 176.51,180.74 176.5,180.89 176.47,181.04 176.43,181.19 176.39,181.33 176.36,181.4 176.32,181.47 176.29,181.53 176.25,181.59 176.21,181.66 176.16,181.71 176.11,181.77 176.06,181.83 176.01,181.88 175.95,181.93 175.89,181.98 175.82,182.02 175.75,182.06 175.68,182.1 175.61,182.14 175.53,182.17 175.44,182.2 175.36,182.23 175.27,182.26 175.17,182.28 175.07,182.29 174.97,182.31 174.86,182.32 174.75,182.32 167.76,182.32 167.53,182.31 167.31,182.29 167.1,182.26 167,182.24 166.91,182.22 166.82,182.19 166.73,182.17 166.65,182.13 166.57,182.1 166.49,182.06 166.42,182.02 166.35,181.98 166.28,181.93 166.22,181.87 166.16,181.82 166.11,181.76 166.05,181.69 166.01,181.63 165.96,181.55 165.92,181.48 165.89,181.4 165.86,181.31 165.83,181.22 165.8,181.13 165.78,181.03 165.77,180.92 165.76,180.81 165.75,180.7 165.74,180.58 165.74,178.58 165.74,178.51 165.72,178.44 165.71,178.38 165.68,178.31 165.66,178.24 165.62,178.18 165.59,178.12 165.54,178.06 165.5,178 165.45,177.94 165.34,177.83 165.21,177.72 165.07,177.63 164.93,177.54 164.77,177.46 164.61,177.4 164.44,177.34 164.27,177.29 164.1,177.26 163.93,177.24 163.76,177.23 162.07,177.23 161.83,177.33 161.6,177.43 161.14,177.65 160.69,177.86 160.45,177.96 160.21,178.06 159.96,178.15 159.69,178.23 159.4,178.31 159.1,178.37 158.77,178.42 158.41,178.46 158.03,178.49 157.61,178.5 138.52,178.5 138.42,178.5 138.33,178.49 138.23,178.47 138.13,178.45 138.04,178.43 137.94,178.4 137.85,178.37 137.76,178.34 137.67,178.3 137.59,178.25 137.5,178.2 137.42,178.15 137.34,178.1 137.27,178.04 137.19,177.98 137.12,177.92 137.06,177.85 136.99,177.78 136.93,177.71 136.87,177.63 136.82,177.56 136.77,177.48 136.72,177.4 136.68,177.31 136.64,177.23 136.61,177.14 136.58,177.05 136.56,176.97 136.54,176.88 136.52,176.79 136.51,176.69 136.51,176.6 136.51,165.51 136.51,165.44 136.5,165.37 136.49,165.29 136.47,165.22 136.45,165.14 136.42,165.07 136.39,164.99 136.35,164.92 136.31,164.84 136.27,164.77 136.17,164.62 136.05,164.48 135.93,164.35 135.8,164.22 135.65,164.1 135.5,164 135.43,163.95 135.35,163.91 135.27,163.87 135.19,163.84 135.11,163.81 135.03,163.78 134.94,163.76 134.86,163.74 134.78,163.73 134.7,163.72 51.17,163.72 51.07,163.73 50.98,163.73 50.89,163.74 50.8,163.76 50.72,163.77 50.64,163.79 50.56,163.82 50.48,163.85 50.41,163.88 50.34,163.91 50.28,163.95 50.22,163.98 50.16,164.03 50.1,164.07 50.05,164.12 50,164.17 49.95,164.22 49.9,164.28 49.86,164.34 49.83,164.4 49.79,164.47 49.76,164.53 49.73,164.6 49.7,164.67 49.68,164.75 49.66,164.82 49.64,164.9 49.63,164.98 49.62,165.06 49.61,165.15 49.61,165.33 49.61,169.42 ; 145.11,108.33 144.88,108.81
  Bottom w0.7: 144.85,108.82 147.41,105.98 147.47,105.91 147.54,105.85 147.62,105.79 147.7,105.73 147.78,105.68 147.86,105.63 147.95,105.58 148.04,105.54 148.13,105.51 148.22,105.47 148.32,105.45 148.41,105.43 148.5,105.41 148.6,105.39 148.69,105.39 148.78,105.38 151.43,105.38 151.53,105.38 151.63,105.36 151.73,105.34 151.83,105.31 151.92,105.27 152.02,105.23 152.11,105.18 152.2,105.12 152.28,105.06 152.31,105.02 152.35,104.99 152.38,104.95 152.41,104.91 152.44,104.87 152.47,104.83 152.49,104.79 152.51,104.74 152.53,104.7 152.55,104.65 152.56,104.61 152.57,104.56 152.57,104.51 152.58,104.46 152.58,101.51
  vias: v1(144.87,108.82)
